# Altium PCB MB1292.PcbDoc (part 2 of 4)
Units mm, origin at the board's own origin, x right, y up, seen from the top; angles counter-clockwise.
Board outline 103.83 x 65.19 mm, 4 copper layers (L1, L2, L3, L4), stack 1.512 mm thick; 185 components, 157 nets, 707 pads, 942 vias.
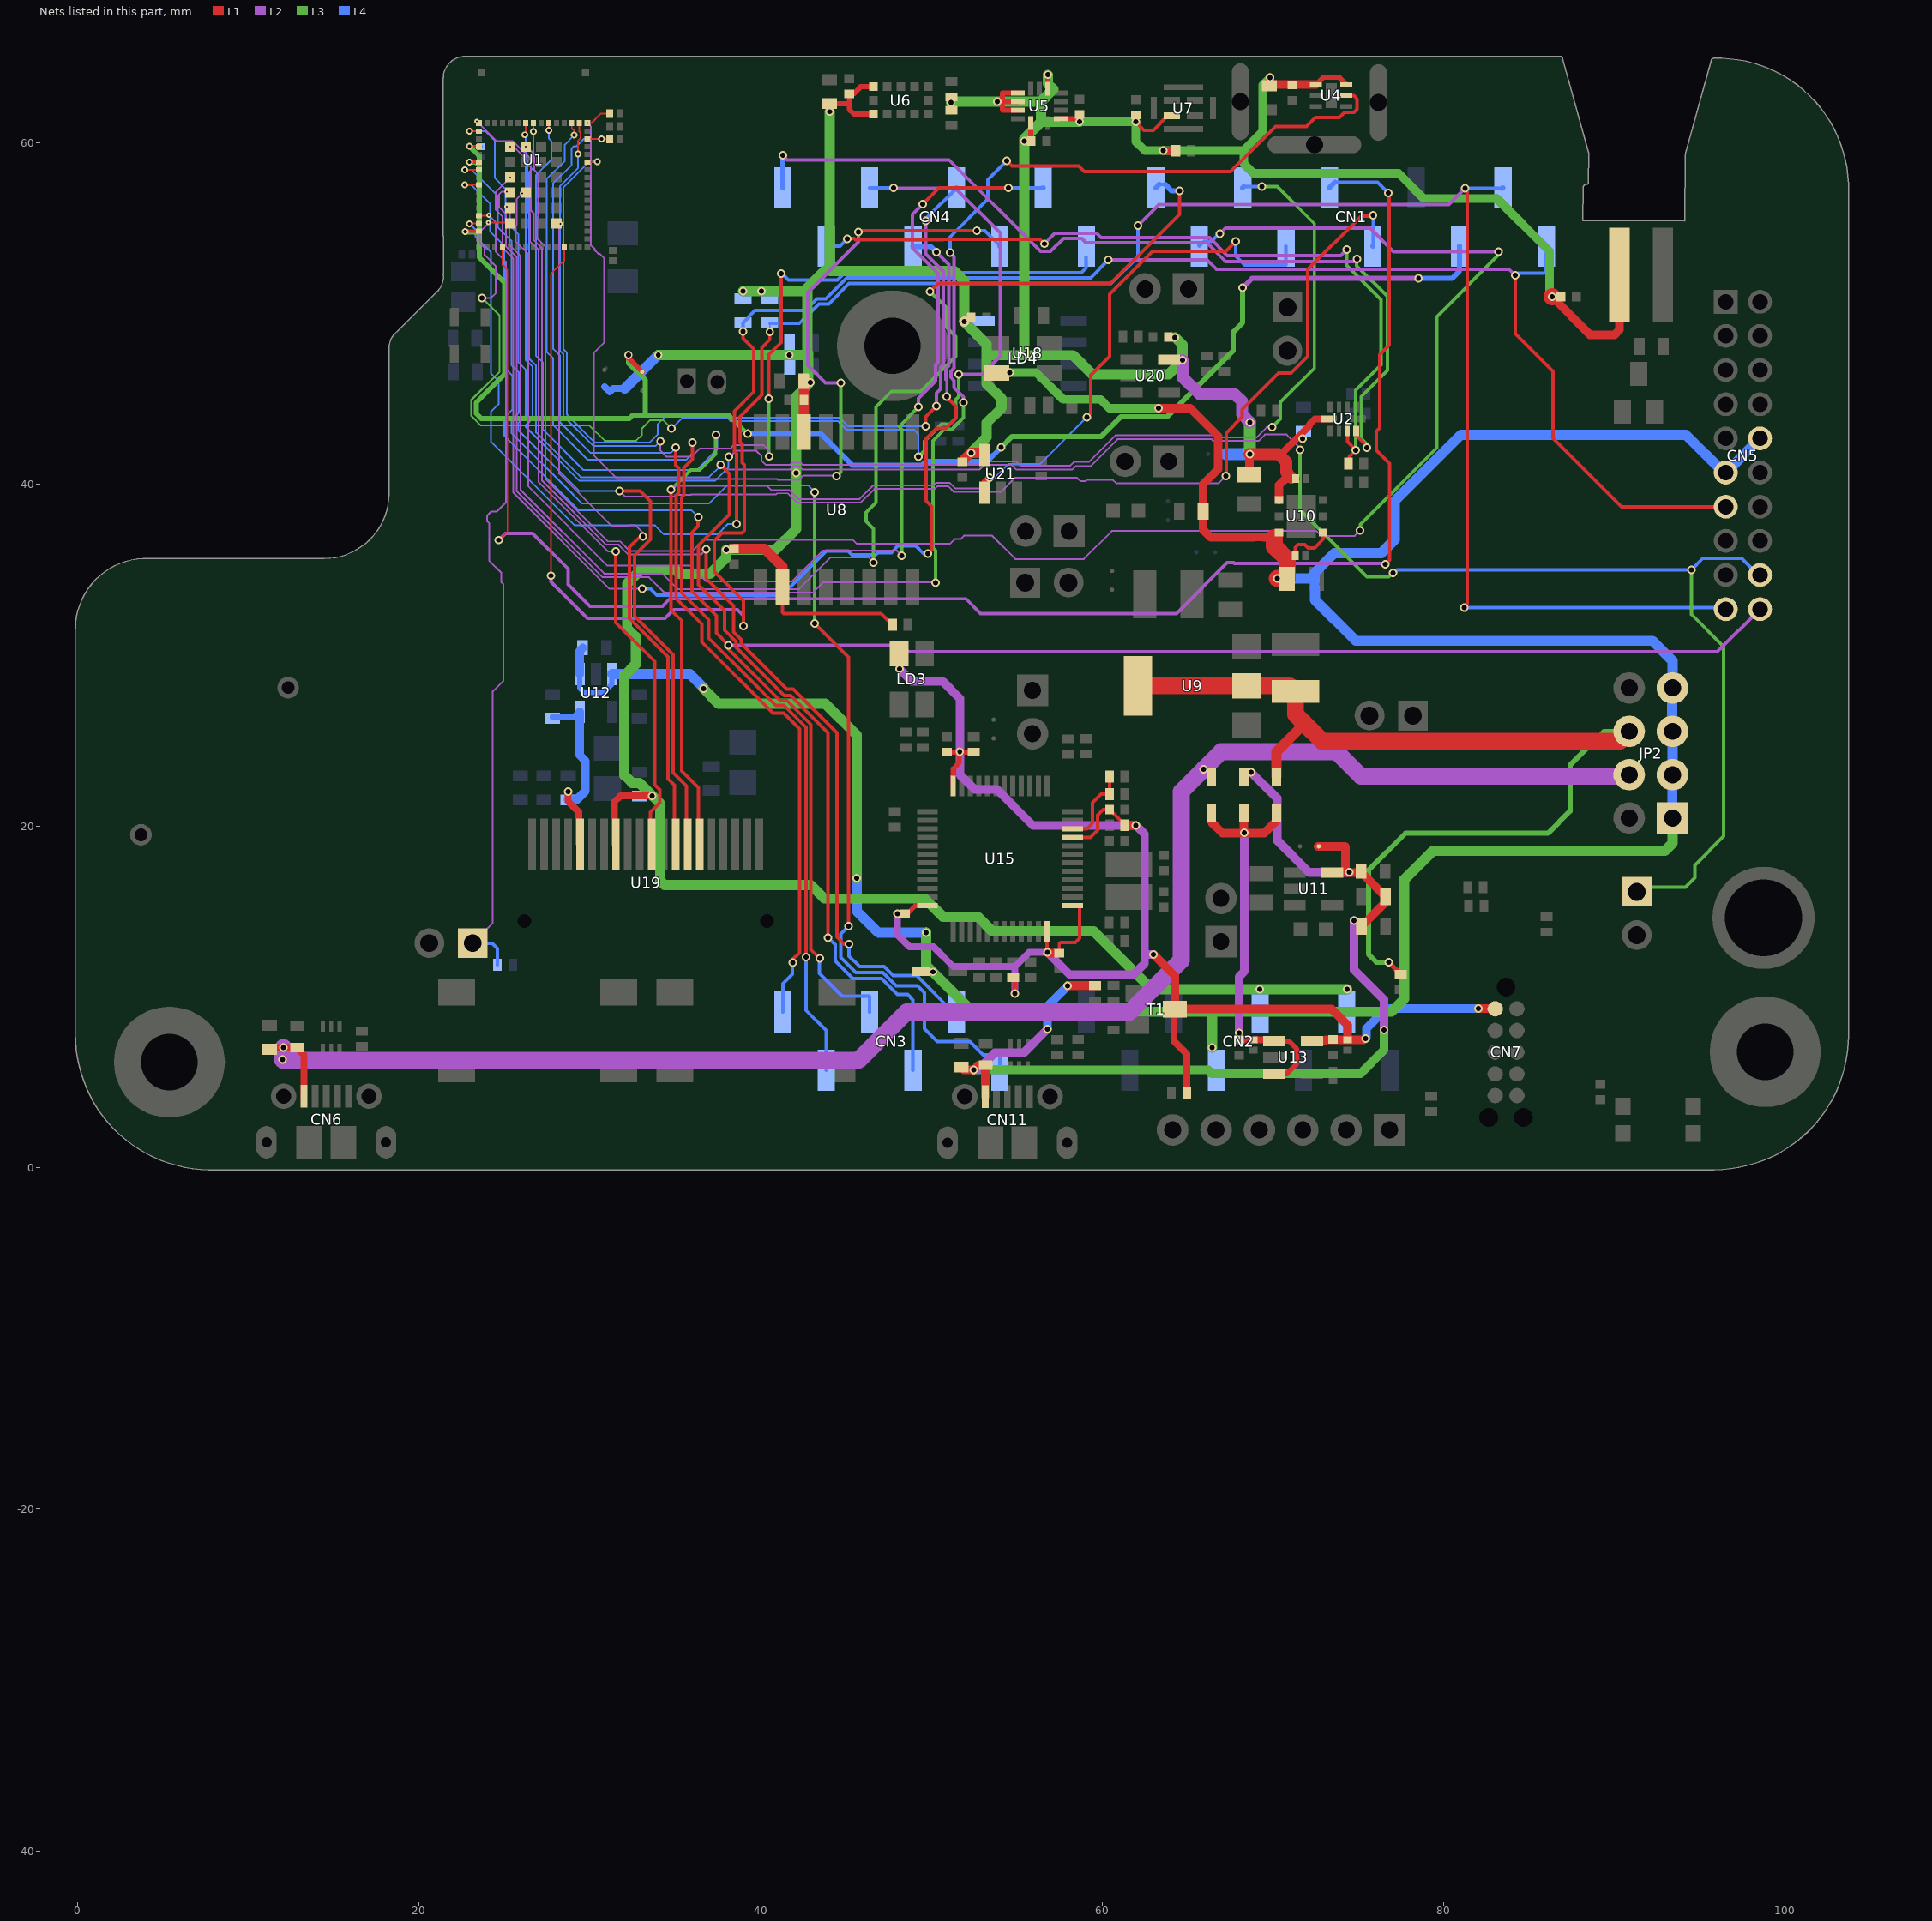
[diagram p4: the nets of this part, all layers, seen from the top]

## Part data (continued)
LD2: library part MCD-00588, "LED Green, 0603 SMD, Forward Voltage Typ=2V, Max=2.5V", Alternate_Manufacturer="VISHAY SEMICONDUCTOR OPTO DIVISION", Alternate_Manufacturer_Part_Number=VLMTG1300-GS08, Manufacturer="OSRAM OPTO SEMICONDUCTORS", Manufacturer_Part_Number="LG Q396-PS-35", Package="LED 0603", ComponentLink1URL="http://tunmcdsvn.tun.st.com/Component_Datasheet_Library/Trunk/Display/OSRAM_LED_GREEN_LG Q396-PS-35", Internal_Part_Number=MCD-00588, Order_Code_Digikey="LG Q396-PS-35-ND", Part_Preference=Recommended, Part_Type=Display, Status=Released
LD3: library part MCD-02360, "Led, Bi-color Red/Green, 2V4, 30mA, 4-PLCC", Alternate_Manufacturer=N/A, Manufacturer=EVERLIGHT, Manufacturer_Part_Number=67-22VRVGC/TR8, Package=4-PLCC, Alternate_Manufacturer_Part_Number=N/A, ComponentLink1URL=http://tunmcdsvn.tun.st.com/Component_Documentation_Library/Trunk/Display/EVERLIGHT_67-22VRVGCTR8, Internal_Part_Number=MCD-02360, Order_Code_Digikey=N/A, Order_Code_Farnell=N/A, Order_Code_RS=N/A, Part_Preference=Recommended, Part_Type=Display, Status=Checked
LD4: library part MCD-02035, "LED, RGB 2,8x3,2mm", Manufacturer="WURTH ELEKTRONIK", Manufacturer_Part_Number=150141M173100, Package="LED 1411", ComponentLink1URL=http://tunmcdsvn.tun.st.com/Component_Datasheet_Library/Trunk/Display/WURTH-ELEKTRONIK_LED-RGB_150141M173100, Internal_Part_Number=MCD-02035, Order_Code_Digikey=732-4998-2-ND, Order_Code_Farnell=N/A, Order_Code_RS=146-0091, Part_Preference=Recommended, Part_Type=Display, Status=Released
LDIR1: library part MCD-02137, "Diode infrared, 890nm emitting, T-1 3/4, 35,5mmx2.54mm", Alternate_Manufacturer=N/A, Manufacturer=VISHAY, Package="T-1 3/4", Alternate_Manufacturer_Part_Number=N/A, ComponentLink1URL=http://tunmcdsvn.tun.st.com/Component_Datasheet_Library/Trunk/Diodes/Vishay_Diode-infrared_tshf5210, Internal_Part_Number=MCD-02137, Manufacturer_Part_Number=TSHF5210, Order_Code_Digikey=751-1210-ND, Order_Code_Farnell=1779669, Order_Code_RS=699-7663, Part_Preference=Recommended, Part_Type=Diode, Status=Checked
Q1: library part MCD-01385, "Transistor Bipolar NPN, 45V, 500mA, 100MHz, 300mW, SOT23-3", Manufacturer="ON SEMICONDUCTOR", Manufacturer_Part_Number=BC817-25LT3G, Package=SOT23-3, ComponentLink1URL=http://tunmcdsvn.tun.st.com/Component_Datasheet_Library/Trunk/IC/ON_SEMICONDUCTOR_Transistor_BC817-25LT3G, Internal_Part_Number=MCD-01385, Part_Preference=Recommended, Part_Type=IC, Status=Released
R1 R12: library part MCD-00061, "Resistor,1K,0402,1%,1/16W", Manufacturer=YAGEO, Manufacturer_Part_Number=RC0402FR-071KL, Package=R0402, ComponentLink1URL=http://tunmcdsvn.tun.st.com/Component_Datasheet_Library/Trunk/Resistors/Yageo_Resistor_RC0402-series, Internal_Part_Number=MCD-00061, Order_Code_Digikey=311-1.00KLRCT-ND, Order_Code_Farnell=9239235, Order_Code_RS=N/A, Part_Preference=Recommended, Part_Type=Resistor, Status=Released
R2 R3 R4 R5: library part MCD-00481, "Resistor,47R,0402,1%,1/16W", Manufacturer=YAGEO, Manufacturer_Part_Number=RC0402FR-0747RL, Package=R0402, ComponentLink1URL=http://tunmcdsvn.tun.st.com/Component_Datasheet_Library/Trunk/Resistors/Yageo_Resistor_RC0402-series, Internal_Part_Number=MCD-00481, Order_Code_Digikey=311-47.0LRCT-ND, Order_Code_Farnell=9239073, Order_Code_RS=N/A, Part_Preference=Recommended, Part_Type=Resistor, Status=Released
R6 R8 R10 R13 R21 R22 R47 R48 R49 R50 R51 R52 R53 R54: library part MCD-00053, "Resistor,10K,0402,1%,1/16W", Manufacturer=YAGEO, Manufacturer_Part_Number=RC0402FR-0710KL, Package=R0402, BMS_Part_Number=9131590, ComponentLink1URL=http://tunmcdsvn.tun.st.com/Component_Datasheet_Library/Trunk/Resistors/Yageo_Resistor_RC0402-series, Internal_Part_Number=MCD-00053, Order_Code_Digikey=311-10.0KLRCT-ND, Order_Code_Farnell=9239359, Order_Code_RS=N/A, Part_Preference=Recommended, Part_Type=Resistor, Status=Released
R7 R19 R23 R36: library part MCD-00059, "Resistor,100K,0402,1%,1/16W", Alternate_Manufacturer=YAGEO, Alternate_Manufacturer_Part_Number=RT0402FRE07100KL, Manufacturer_Part_Number=RC0402FR-07100KL, Package=R0402, ComponentLink1URL=http://tunmcdsvn.tun.st.com/Component_Datasheet_Library/Trunk/Resistors/Yageo_Resistor_RC0402-series, Internal_Part_Number=MCD-00059, Manufacturer=YAGEO, Order_Code_Digikey=311-100KLRTR-ND, Order_Code_Farnell=2421891, Order_Code_RS=N/A, Part_Preference=Recommended, Part_Type=Resistor, Status=Released
R9: library part MCD-00358, "Resistor,10R,0402,1%,1/16W", Manufacturer=YAGEO, Manufacturer_Part_Number=RC0402FR-0710RL, Package=R0402, ComponentLink1URL=http://tunmcdsvn.tun.st.com/Component_Datasheet_Library/Trunk/Resistors/Yageo_Resistor_RC0402-series, Internal_Part_Number=MCD-00358, Order_Code_Digikey=311-10.0LRCT-ND, Order_Code_Farnell=9238999, Order_Code_RS=618-5848, Part_Preference=Recommended, Part_Type=Resistor, Status=Released
R11: library part MCD-00345, "Resistor,20R,0603,1%,1/10W", Manufacturer=YAGEO, Manufacturer_Part_Number=RC0603FR-0720RL, Package=R0603, ComponentLink1URL=http://tunmcdsvn.tun.st.com/Component_Datasheet_Library/Trunk/Resistors/Yageo_Resistor_RC0603-series, Internal_Part_Number=MCD-00345, Order_Code_Digikey=311-20.0HRCT-ND, Order_Code_Farnell=1799333, Order_Code_RS=N/A, Part_Preference=Recommended, Part_Type=Resistor, Status=Released
R14: library part MCD-00070, "Resistor,1K,0603,1%,1/10W", Manufacturer=YAGEO, Manufacturer_Part_Number=RC0603FR-071KL, Package=R0603, ComponentLink1URL=http://tunmcdsvn.tun.st.com/Component_Datasheet_Library/Trunk/Resistors/Yageo_Resistor_RC0603-series, Internal_Part_Number=MCD-00070, Order_Code_Digikey=311-1.00KHRCT-ND, Order_Code_Farnell=9238484RL, Order_Code_RS=N/A, Part_Preference=Recommended, Part_Type=Resistor, Status=Released
R15 R41: library part MCD-00220, "Resistor,10K,0603,1%,1/10W", Manufacturer=YAGEO, Manufacturer_Part_Number=RC0603FR-0710KL, Package=R0603, ComponentLink1URL=http://tunmcdsvn.tun.st.com/Component_Datasheet_Library/Trunk/Resistors/Yageo_Resistor_RC0603-series, Internal_Part_Number=MCD-00220, Order_Code_Digikey=311-10.0KHRCT-ND, Order_Code_Farnell=9238603, Order_Code_RS=N/A, Part_Preference=Recommended, Part_Type=Resistor, Status=Released
R16: library part MCD-00442, "Resistor,270R,0603,1%,1/10W", Manufacturer=YAGEO, Manufacturer_Part_Number=RC0603FR-07270RL, Package=R0603, ComponentLink1URL=http://tunmcdsvn.tun.st.com/Component_Datasheet_Library/Trunk/Resistors/Yageo_Resistor_RC0603-series, Internal_Part_Number=MCD-00442, Order_Code_Digikey=311-270HRCT-ND, Order_Code_Farnell=9238417, Order_Code_RS=N/A, Part_Preference=Recommended, Part_Type=Resistor, Status=Released
R17 R26 R27: library part MCD-00065, "Resistor,4K7,0402,1%,1/16W", Alternate_Manufacturer=YAGEO, Alternate_Manufacturer_Part_Number=RT0402FRE074K7L, Manufacturer_Part_Number=RC0402FR-074K7L, Package=R0402, ComponentLink1URL=http://tunmcdsvn.tun.st.com/Component_Datasheet_Library/Trunk/Resistors/Yageo_Resistor_RC0402-series, Internal_Part_Number=MCD-00065, Manufacturer=YAGEO, Order_Code_Digikey=311-4.7KLRCT-ND, Order_Code_Farnell=9239316, Order_Code_RS=N/A, Part_Preference=Recommended, Part_Type=Resistor, Status=Released
R18: library part MCD-00055, "Resistor,2K7,0402,1%,1/16W", Manufacturer=YAGEO, Manufacturer_Part_Number=RC0402FR-072K7L, Package=R0402, ComponentLink1URL=http://tunmcdsvn.tun.st.com/Component_Datasheet_Library/Trunk/Resistors/Yageo_Resistor_RC0402-series, Internal_Part_Number=MCD-00055, Order_Code_Digikey=311-2.70KLRCT-ND, Order_Code_Farnell=9239286, Order_Code_RS=N/A, Part_Preference=Recommended, Part_Type=Resistor, Status=Released
R20 R28 R29 R30: library part MCD-00052, "Resistor,0R,0402,5%,1/16W", Manufacturer=YAGEO, Manufacturer_Part_Number=RC0402JR-070RL, Package=R0402, ComponentLink1URL=http://tunmcdsvn.tun.st.com/Component_Datasheet_Library/Trunk/Resistors/Yageo_Resistor_RC0402-series, Internal_Part_Number=MCD-00052, Order_Code_Digikey=311-0.0JRCT-ND, Order_Code_Farnell=9232516RL, Order_Code_RS=618-5804, Part_Preference=Recommended, Part_Type=Resistor, Status=Released
R24 R40 R44: library part MCD-00219, "Resistor,4K7,0603,1%,1/10W", Manufacturer=YAGEO, Manufacturer_Part_Number=RC0603FR-074K7L, Package=R0603, ComponentLink1URL=http://tunmcdsvn.tun.st.com/Component_Datasheet_Library/Trunk/Resistors/Yageo_Resistor_RC0603-series, Internal_Part_Number=MCD-00219, Order_Code_Digikey=311-4.70KHRCT-ND, Order_Code_Farnell=9238565, Order_Code_RS=N/A, Part_Preference=Recommended, Part_Type=Resistor, Status=Released
R25 R31: library part MCD-00067, "Resistor,100R,0402,1%,1/16W", Manufacturer=YAGEO, Manufacturer_Part_Number=RC0402FR-07100RL, Package=R0402, ComponentLink1URL=http://tunmcdsvn.tun.st.com/Component_Datasheet_Library/Trunk/Resistors/Yageo_Resistor_RC0402-series, Internal_Part_Number=MCD-00067, Order_Code_Digikey=311-100LRCT-ND, Order_Code_Farnell=9239111, Order_Code_RS=N/A, Part_Preference=Recommended, Part_Type=Resistor, Status=Released
R32: library part MCD-00069, "Resistor,36K,0402,1%,1/16W", Manufacturer=YAGEO, Manufacturer_Part_Number=RC0402FR-0736KL, Package=R0402, ComponentLink1URL=http://tunmcdsvn.tun.st.com/Component_Datasheet_Library/Trunk/Resistors/Yageo_Resistor_RC0402-series, Internal_Part_Number=MCD-00069, Order_Code_Digikey=311-36.0KLRCT-ND, Order_Code_Farnell=1458788, Order_Code_RS=N/A, Part_Preference=Recommended, Part_Type=Resistor, Status=Released
R33: library part MCD-00068, "Resistor,1K5,0402,1%,1/16W", Manufacturer=YAGEO, Manufacturer_Part_Number=RC0402FR-071K5L, Package=R0402, ComponentLink1URL=http://tunmcdsvn.tun.st.com/Component_Datasheet_Library/Trunk/Resistors/Yageo_Resistor_RC0402-series, Internal_Part_Number=MCD-00068, Order_Code_Digikey=311-1.50KLRCT-ND, Order_Code_Farnell=9239251, Order_Code_RS=N/A, Part_Preference=Recommended, Part_Type=Resistor, Status=Released
R34 R35: library part MCD-00062, "Resistor,330R,0402,1%,1/16W", Manufacturer=YAGEO, Manufacturer_Part_Number=RC0402FR-07330RL, Package=R0402, ComponentLink1URL=http://tunmcdsvn.tun.st.com/Component_Datasheet_Library/Trunk/Resistors/Yageo_Resistor_RC0402-series, Internal_Part_Number=MCD-00062, Order_Code_Digikey=311-330LRCT-ND, Order_Code_Farnell=9239170, Order_Code_RS=N/A, Part_Preference=Recommended, Part_Type=Resistor, Status=Released
R37: library part MCD-00380, "Resistor,130R,0603,1%,1/10W", Manufacturer=YAGEO, Manufacturer_Part_Number=RC0603FR-07130RL, Package=R0603, BMS_Part_Number=9129733, ComponentLink1URL=http://tunmcdsvn.tun.st.com/Component_Datasheet_Library/Trunk/Resistors/Yageo_Resistor_RC0603-series, Internal_Part_Number=MCD-00380, Order_Code_Digikey=311-130HRCT-ND, Order_Code_Farnell=1799326, Order_Code_RS=N/A, Part_Preference=Recommended, Part_Type=Resistor, Status=Released
R38 R39: library part MCD-00516, "Resistor,75R,0603,1%,1/10W", Manufacturer=YAGEO, Manufacturer_Part_Number=RC0603FR-0775RL, Package=R0603, BMS_Part_Number=9129726, ComponentLink1URL=http://tunmcdsvn.tun.st.com/Component_Datasheet_Library/Trunk/Resistors/Yageo_Resistor_RC0603-series, Internal_Part_Number=MCD-00516, Order_Code_Digikey=311-75.0HRCT-ND, Order_Code_Farnell=1799355, Order_Code_RS=N/A, Part_Preference=Recommended, Part_Type=Resistor, Status=Released
R43: library part MCD-00506, "Resistor,620K,0603,1%,1/10W", Manufacturer=YAGEO, Manufacturer_Part_Number=RC0603FR-07620KL, Package=R0603, ComponentLink1URL=http://tunmcdsvn.tun.st.com/Component_Datasheet_Library/Trunk/Resistors/Yageo_Resistor_RC0603-series, Internal_Part_Number=MCD-00506, Order_Code_Digikey=311-620KHRCT-ND, Order_Code_Farnell=N/A, Order_Code_RS=N/A, Part_Preference=Recommended, Part_Type=Resistor, Status=Released
R45 R46: library part MCD-00349, "Resistor,2K2,0603,1%,1/10W", Manufacturer=YAGEO, Manufacturer_Part_Number=RC0603FR-072K2L, Package=R0603, ComponentLink1URL=http://tunmcdsvn.tun.st.com/Component_Datasheet_Library/Trunk/Resistors/Yageo_Resistor_RC0603-series, Internal_Part_Number=MCD-00349, Order_Code_Digikey=311-2.20KHRCT-ND, Order_Code_Farnell=9238522, Order_Code_RS=N/A, Part_Preference=Recommended, Part_Type=Resistor, Status=Released
R55 R56 R57 R58: library part MCD-00189, "Resistor,22R,0402,1%,1/16W", Manufacturer=YAGEO, Manufacturer_Part_Number=RC0402FR-0722RL, Package=R0402, ComponentLink1URL=http://tunmcdsvn.tun.st.com/Component_Datasheet_Library/Trunk/Resistors/Yageo_Resistor_RC0402-series, Internal_Part_Number=MCD-00189, Order_Code_Digikey=311-22.0LRCT-ND, Order_Code_Farnell=9239030, Order_Code_RS=N/A, Part_Preference=Recommended, Part_Type=Resistor, Status=Released
SB1 SB3 SB4 SB5 SB10 SB12: library part MCD-00072, "Solder Bridge OFF", Manufacturer=YAGEO, Manufacturer_Part_Number=RC0603JR-070RL, Package=SB0603, ComponentLink1URL=http://tunmcdsvn.tun.st.com/Component_Datasheet_Library/Trunk/Resistors/Yageo_Resistor_RC0603-series, Internal_Part_Number=MCD-00072, Part_Preference=Recommended, Part_Type=Misc, Status=Released
SB2 SB6 SB11: library part MCD-00071, "Solder Bridge ON", Manufacturer=YAGEO, Manufacturer_Part_Number=RC0603JR-070RL, Package=SB0603, ComponentLink1URL=http://tunmcdsvn.tun.st.com/Component_Datasheet_Library/Trunk/Resistors/Yageo_Resistor_RC0603-series, Internal_Part_Number=MCD-00071, Part_Preference=Recommended, Part_Type=Misc, Status=Released
T1: library part MCD-00073, "NPN Bipolar Transistor", Alternate_Manufacturer="ON SEMICONDUCTOR", Alternate_Manufacturer_Part_Number="MMBT2222LT1G / MMBT2222ALT1G / MMBT2222ALT3G", Manufacturer_Part_Number=BSR14, Package=SOT23, ComponentLink1URL=http://tunmcdsvn.tun.st.com/Component_Datasheet_Library/Trunk/IC/NXP_Transistor_BSR14, Internal_Part_Number=MCD-00073, Manufacturer="ON SEMICONDUCTOR", Part_Preference=Recommended, Part_Type=IC, Status=Released
TS1: library part MCD-02082, "-Touch Sensing button: diameter 10mm min,  active shield diameter 12mm min", Manufacturer=N/A, Manufacturer_Part_Number=Touch_sensing_Button, ComponentLink1URL=http://tunmcdsvn.tun.st.com/Component_Datasheet_Library/Trunk/Misc/STM_Touch_Sensing_Button, Internal_Part_Number=MCD-02082, Part_Preference=Recommended, Part_Type=Misc, Status=Released
U1: library part MCD-01965, "STM32 BLE module based on STM32WB55", Alternate_Manufacturer=N/A, Manufacturer=STMICROELECTRONICS, Manufacturer_HQ_COO=EU, Alternate_Manufacturer_Part_Number=N/A, Component_Country_Of_Origin=Taiwan, ComponentLink1URL=http://tunmcdsvn.tun.st.com/Component_Datasheet_Library/Trunk/Misc/STM_STM32WBxxx_dory_module, Internal_Part_Number=MCD-01965, Manufacturer_Part_Number=STM32WB5MMGH6TR, Order_Code_Digikey=N/A, Order_Code_Farnell=N/A, Order_Code_RS=N/A, Part_Preference=Recommended, Part_Type=Misc, Status=Checked
U2: library part MCD-01847, "6-GHz, 2-Channel, 2:1 Switch, With Power-off Isolation", Manufacturer="TEXAS INSTRUMENTS", Package=UQFN-10, ComponentLink1URL=http://tunmcdsvn.tun.st.com/Component_Datasheet_Library/Trunk/IC/TI_2-channel_switch_TMUX136, Internal_Part_Number=MCD-01847, Manufacturer_Part_Number=TMUX136, Order_Code_Digikey=296-47396-1-ND, Order_Code_Farnell=2802932RL, Order_Code_RS=N/A, Part_Preference=Recommended, Part_Type=IC, Status=Checked
U3 U16: library part MCD-00251, "High power transient voltage suppressor, 7V breakdown", Manufacturer=STMICROELECTRONICS, Manufacturer_HQ_COO=EU, Manufacturer_Part_Number=ESDA7P60-1U1M, BMS_Part_Number=9179042, ComponentLink1URL=http://tunmcdsvn.tun.st.com/Component_Datasheet_Library/Trunk/Diodes/STM_ESD_ESDA7P60-1U1M, Internal_Part_Number=MCD-00251, Part_Preference=Recommended, Part_Type=Diode, Status=Released
U4: library part MCD-02159, "temperature sensor", Alternate_Manufacturer=N/A, Manufacturer=STMICROELECTRONICS, Manufacturer_HQ_COO=EU, Package="UDFN 6-pins 2x2x0.5mm", Alternate_Manufacturer_Part_Number=N/A, Component_Country_Of_Origin=Thailand, ComponentLink1URL=http://tunmcdsvn.tun.st.com/Component_Datasheet_Library/Trunk/IC/STM_MEMS_STTS22H, Internal_Part_Number=MCD-02159, Manufacturer_Part_Number=STTS22H, Order_Code_Digikey=497-STTS22HTR-ND, Order_Code_Farnell=3265386, Order_Code_RS=194-7646, Part_Preference=Recommended, Part_Type=IC, Status=Checked
U5: library part MCD-02160, "iNEMO inertial module: 3D accelerometer and 3D gyroscope, with digital output for industrial applications", Alternate_Manufacturer=N/A, Manufacturer=STMICROELECTRONICS, Manufacturer_HQ_COO=EU, Manufacturer_Part_Number=ISM330DHCXTR, Package=LGA-14L, Alternate_Manufacturer_Part_Number=N/A, Component_Country_Of_Origin="Malta, Philippines", ComponentLink1URL=http://tunmcdsvn.tun.st.com/Component_Datasheet_Library/Trunk/IC/STM_3D-Gyro-ACC_ISM330DHCX, Internal_Part_Number=MCD-02160, Order_Code_Digikey=497-19784-2-ND, Order_Code_Farnell=3262493, Order_Code_RS=ISM330DHCXTR, Part_Preference=Recommended, Part_Type=IC, Status=Checked
U6: library part MCD-01730, "Time-of-Flight ranging and gesture detection", Manufacturer=STMICROELECTRONICS, Manufacturer_HQ_COO=EU, Package="Optical LGA12 with liner", BMS_Part_Number=9188012, Component_Country_Of_Origin=China, ComponentLink1URL=http://tunmcdsvn.tun.st.com/Component_Datasheet_Library/Trunk/IC/STM_sensor_VL53L0CXV0DH/vl53l0x.pdf, Internal_Part_Number=MCD-01730, Manufacturer_Part_Number=VL53L0CXV0DH/1, Part_Preference=Recommended, Part_Type=IC, Status=New
U7: library part MCD-01715, "MEMS audio sensor omnidirectional digital microphone for industrial applications", Manufacturer=STMICROELECTRONICS, Manufacturer_HQ_COO=EU, Package=HCLGA-4LD, BMS_Part_Number=9177995, Component_Country_Of_Origin=Philippines, ComponentLink1URL=http://tunmcdsvn.tun.st.com/Component_Datasheet_Library/Trunk/IC/STM_Digital-Microphone_IMP34DT05TR, Internal_Part_Number=MCD-01715, Manufacturer_Part_Number=IMP34DT05TR, Part_Preference=Recommended, Part_Type=IC, Status=Released
U8: library part MCD-02038, "Quad SPI with SOIC package 16-pins", Alternate_Manufacturer=N/A, Manufacturer=CYPRESS, Package="SOIC 16-pins", Alternate_Manufacturer_Part_Number=N/A, ComponentLink1URL=http://tunmcdsvn.tun.st.com/Component_Datasheet_Library/Trunk/IC/Cypress_128_Mbit_3V_S25FL128SDSMFV001, Internal_Part_Number=MCD-02038, Manufacturer_Part_Number=S25FL128SDSMFV001, Order_Code_Digikey=S25FL128SDSMFV001-ND, Order_Code_Farnell=N/A, Order_Code_RS=N/A, Part_Preference=Recommended, Part_Type=IC, Status=Released
U9: library part MCD-00088, "IC REG LDO 5V 0.8A SOT223", Manufacturer=STMICROELECTRONICS, Manufacturer_HQ_COO=EU, Package=SOT-223, BMS_Part_Number=9176133, ComponentLink1URL=http://tunmcdsvn.tun.st.com/Component_Datasheet_Library/Trunk/IC/STM_LDO_LD1117, Internal_Part_Number=MCD-00088, Manufacturer_Part_Number=LD1117S50TR, Part_Preference=Recommended, Part_Type=IC, Status=Released
U10: library part MCD-00215, "Low quiescent current and low noise voltage regulators", Manufacturer=STMICROELECTRONICS, Manufacturer_HQ_COO=EU, Package="DFN6 3x3mm", BMS_Part_Number=9176126, ComponentLink1URL=http://tunmcdsvn.tun.st.com/Component_Datasheet_Library/Trunk/IC/STM_LDO_LD39050PU, Internal_Part_Number=MCD-00215, Manufacturer_Part_Number=LD39050PU33R, Part_Preference=Recommended, Part_Type=IC, Status=Released
U11: library part MCD-00083, "Enhanced single channel power switches with active low enable pin", Alternate_Manufacturer="TEXAS INSTRUMENTS", Alternate_Manufacturer_Part_Number=TPS2041C, Manufacturer=STMICROELECTRONICS, Manufacturer_HQ_COO=EU, BMS_Part_Number=9159003, ComponentLink1URL=http://tunmcdsvn.tun.st.com/Component_Datasheet_Library/Trunk/IC/STM_PWR-Switch_STMPS2141STR, Internal_Part_Number=MCD-00083, Manufacturer_Part_Number=STMPS2141STR, Part_Preference=Recommended, Part_Type=IC, Status=Released
U12: library part MCD-01030, "LDO VOLTAGE REGULATOR, 3.6V, 150mA, 5-SOT-23, FULL REEL", Alternate_Manufacturer=N/A, Manufacturer="TEXAS INSTRUMENTS", Package=REG_SOT23-5L, Alternate_Manufacturer_Part_Number=N/A, ComponentLink1URL=http://tunmcdsvn.tun.st.com/Component_Datasheet_Library/Trunk/IC/TI_LDO_LP2985IM5-3.6, Internal_Part_Number=MCD-01030, Manufacturer_Part_Number=LP2985IM5-3.6/NOPB, Order_Code_Digikey=LP2985IM5-3.6/NOPBCT-ND, Order_Code_Farnell=3007634, Order_Code_RS=651-9948, Part_Preference=Recommended, Part_Type=IC, Status=Checked
U13: library part MCD-00086, "Ultra low drop-low noise BiCMOS voltage, regulators low ESR capacitors compatible", Manufacturer=STMICROELECTRONICS, Manufacturer_HQ_COO=EU, BMS_Part_Number=9176161, ComponentLink1URL=http://tunmcdsvn.tun.st.com/Component_Datasheet_Library/Trunk/IC/STM_LDO_LD3985, Internal_Part_Number=MCD-00086, Manufacturer_Part_Number=LD3985M33R, Part_Preference=Recommended, Part_Type=IC, Status=Released
U14 U17: library part MCD-00649, "Common mode filter with ESD protection for USB 2.0 interface", Manufacturer=STMICROELECTRONICS, Manufacturer_HQ_COO=EU, BMS_Part_Number=9151138, ComponentLink1URL=http://tunmcdsvn.tun.st.com/Component_Datasheet_Library/Trunk/Diodes/STM_ESD_ECMF02-2AMX6, Internal_Part_Number=MCD-00649, Manufacturer_Part_Number=ECMF02-2AMX6, Part_Preference=Recommended, Part_Type=Diode, Status=Released
U15: library part MCD-00085, "Medium-density performance line ARM-based 32-bit MCU with 128KB Flash", Manufacturer=STMICROELECTRONICS, Manufacturer_HQ_COO=EU, BMS_Part_Number=9175111, ComponentLink1URL=http://tunmcdsvn.tun.st.com/Component_Datasheet_Library/Trunk/IC/STM_STM32F103CBT6, Internal_Part_Number=MCD-00085, Manufacturer_Part_Number=STM32F103CBT6, Part_Preference=Recommended, Part_Type=IC, Status=Released
U18: library part MCD-02033, "LED, driver for PWM, 4.90 mm × 3.91 mm", Alternate_Manufacturer=N/A, Manufacturer="TEXAS INSTRUMENTS", Package=SOIC, Alternate_Manufacturer_Part_Number=N/A, ComponentLink1URL=http://tunmcdsvn.tun.st.com/Component_Datasheet_Library/Trunk/IC/TI_3-channel_Led-Driver, Internal_Part_Number=MCD-02033, Manufacturer_Part_Number=TLC59731, Order_Code_Digikey=296-40590-2-ND, Order_Code_Farnell=3119199, Order_Code_RS=N/A, Part_Preference=Recommended, Part_Type=IC, Status=Released
U19: library part MCD-01925, "128*64 Dots 20-pin OLED display", Alternate_Manufacturer=RITDISPLAY, Alternate_Manufacturer_Part_Number=9OL9935701000, Manufacturer_Part_Number=9OL9935718000, Package=SMT, ComponentLink1URL=http://tunmcdsvn.tun.st.com/Component_Datasheet_Library/Trunk/Display/RiTDisplay_128x64_OLED_white_9OL9935718000, Internal_Part_Number=MCD-01925, Manufacturer=RITDISPLAY, Order_Code_Digikey=N/A, Order_Code_Farnell=N/A, Order_Code_RS=N/A, Part_Preference=Recommended, Part_Type=Display, Status=Released
U20 U21: library part MCD-02053, "Logic AND Gate, 2.90 mm × 1.60 mm", Alternate_Manufacturer=N/A, Manufacturer="TEXAS INSTRUMENTS", Package=SOT-23, Alternate_Manufacturer_Part_Number=N/A, ComponentLink1URL=http://tunmcdsvn.tun.st.com/Component_Datasheet_Library/Trunk/IC/TI_Logic-AND-Gate_SN74AHC1G08DBVT, Internal_Part_Number=MCD-02053, Manufacturer_Part_Number=SN74AHC1G08DBVT, Order_Code_Digikey=N/A, Order_Code_Farnell=N/A, Order_Code_RS=6627709, Part_Preference=Recommended, Part_Type=IC, Status=Released
X1: library part MCD-00092, "Crystal 8MHz, 8pF, +-20ppm, 500ohms max,  SMD", Manufacturer=NDK, Manufacturer_Part_Number="NX3225GD 8MHz EXS00A-CG04874", BMS_Part_Number=9157029, ComponentLink1URL="http://tunmcdsvn.tun.st.com/Component_Datasheet_Library/Trunk/Crystal_Osc/NDK_Crystal-For-ST_NX3225GD 8MHz EXS00A-CG04874 (EXS10B-20725)", Internal_Part_Number=MCD-00092, Order_Code_Digikey=644-1391, Part_Preference=Recommended, Part_Type="Crystal oscillator", Status=Released

## Free pads (board coordinates)
  round 6.5 hole 3.3 mask+0.102: 1(5.381,6.178)
  oval 1x4.5 hole 1 slot 4.5 at 90 deg unplated: 1(68.092,62.412) 1(76.181,62.366)
  oval 5.5x1 hole 1 slot 5.5 at 0 deg unplated: 1(72.428,59.894)
  round 6 hole 4.5: 1(98.725,14.624)
  round 6.5 hole 3.3: 2(98.828,6.782)
  round 6.5 / inner round 4 / far side round 6.5 hole 3.3: 4(47.723,48.113)
